# Altium PCB LimeNet-Micro_2v1.PcbDoc (part 9 of 11) (continued)
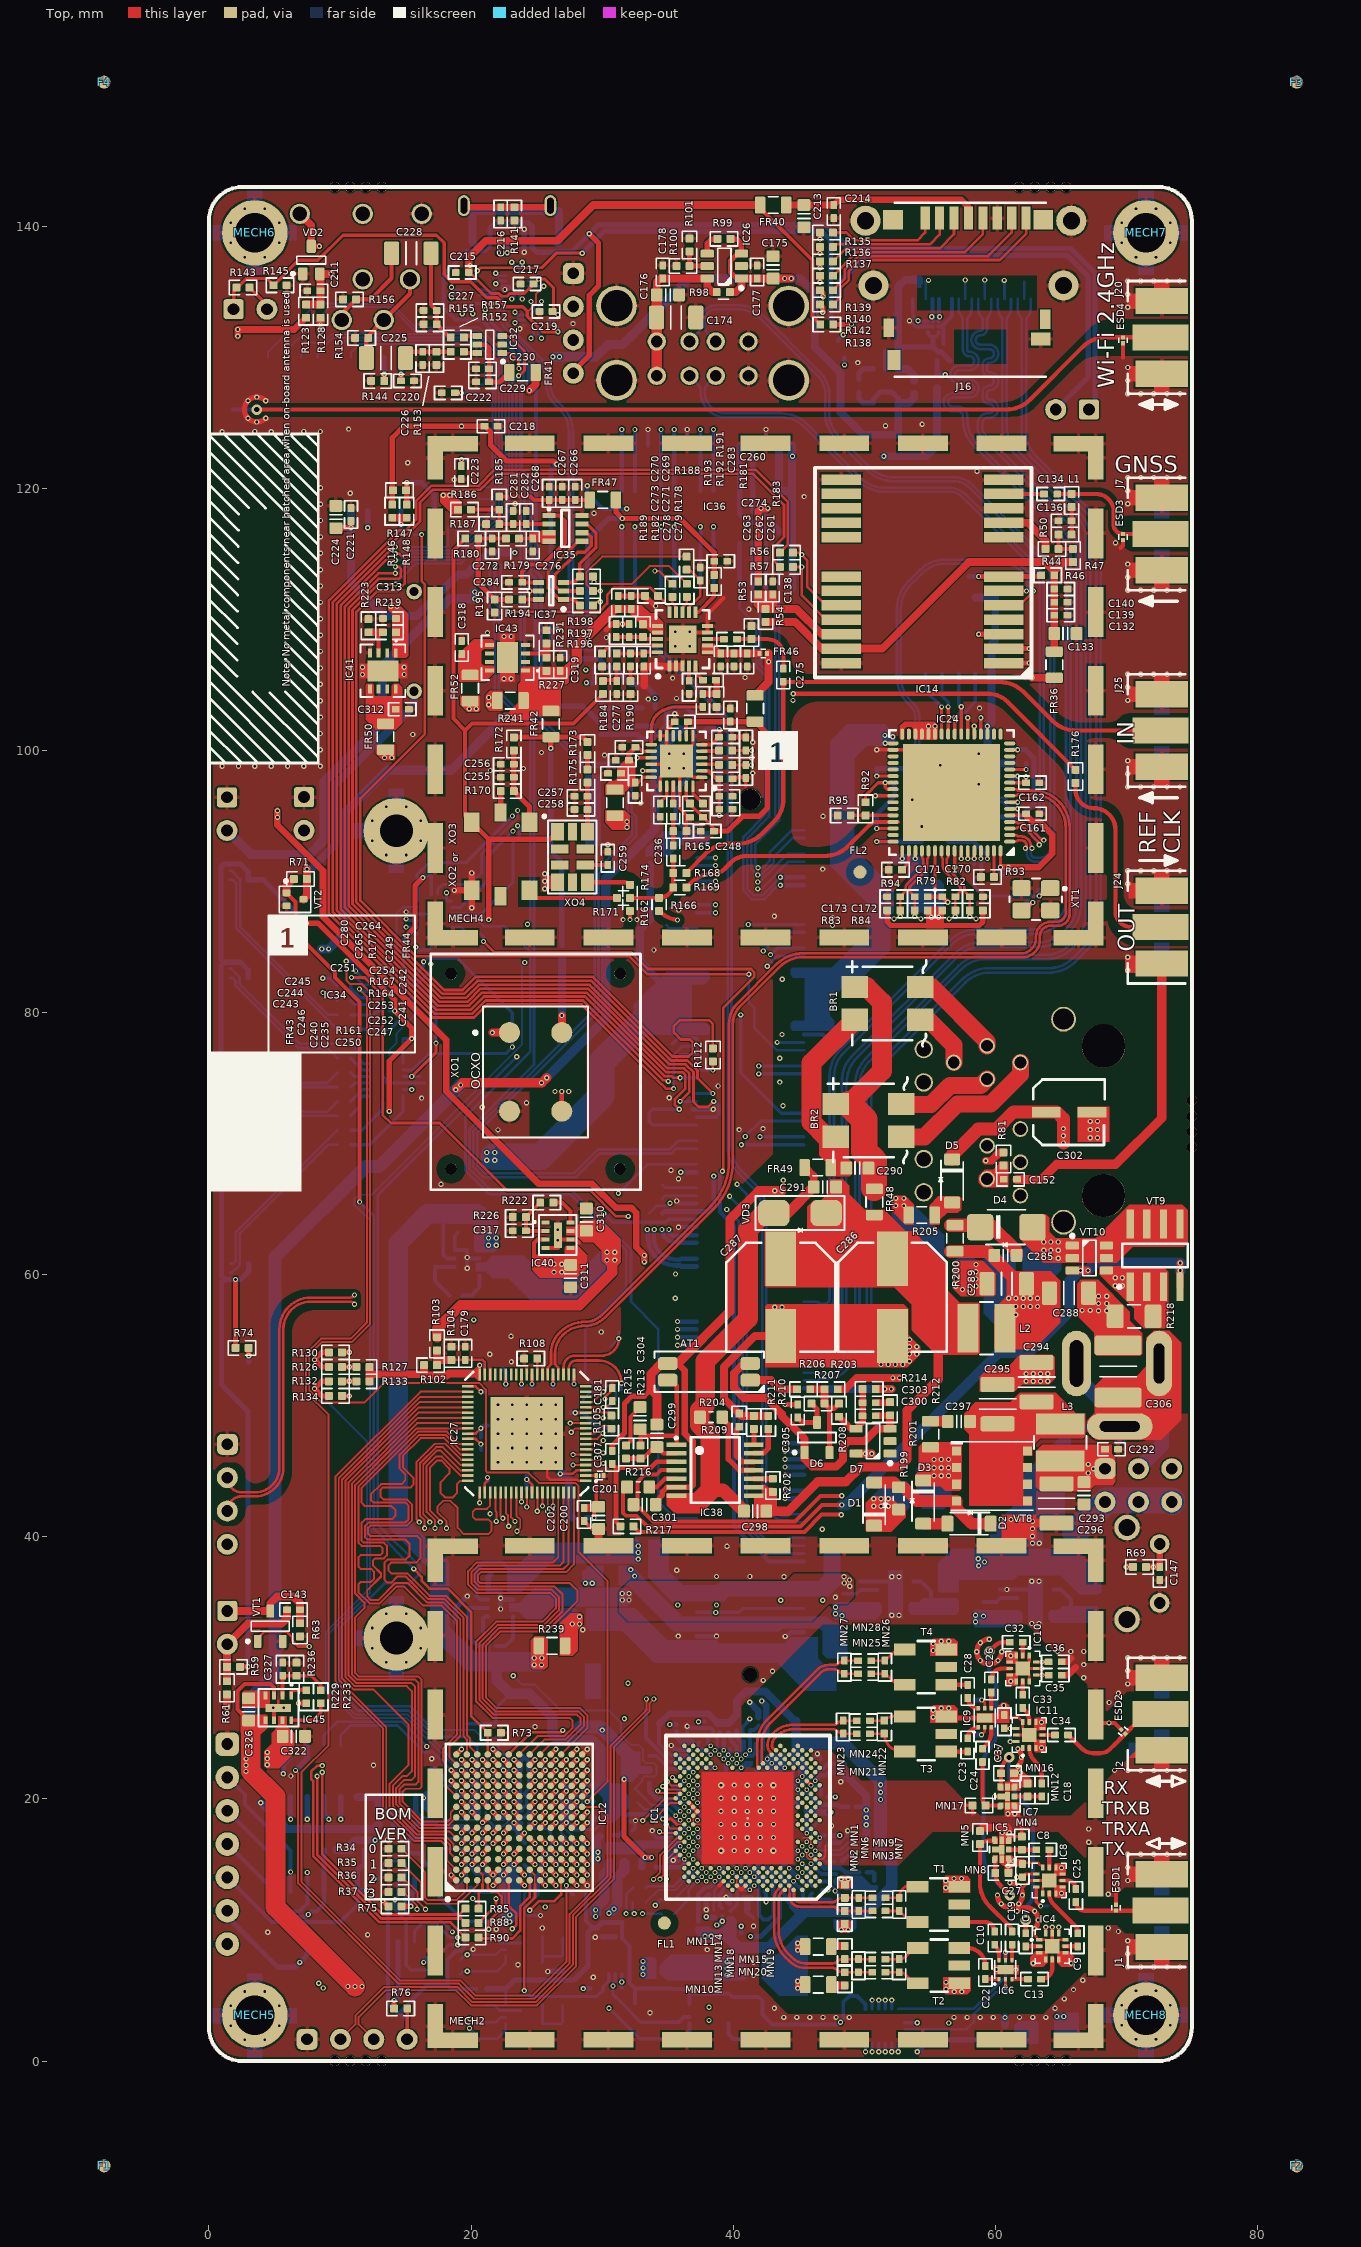
[diagram p0: Top view]
## Nets (pads, with @x,y where several pads share a name; then routed paths per layer and width w, separated by ;. In a path a pad name is that pad's centre, name@x,y a point inside that pad or via, vN(x,y) a via of type N, cw(c..) or ccw(c..) an arc to the next point about the centre after c; other vN are vias at no path point) (continued)
  Bottom w2: 21.7,69 25.3,69 29.95,73.65 29.95,76.2 33.038,79.288
  other v1: 27.725,33.35 28.272,33.35 28.275,33.9 28.725,36.45 29.25,36.45 26.325,60.2 26.925,60.2 26.325,60.8 26.925,60.8 21.2,68.725 21.8,68.725 21.2,69.325 21.8,69.325 52.175,101.05 51.575,101.15 54.9,101.85 23.325,115.1
VCC3P3_CLK: C260.2 C269.1 C270.1 C319.2 FR36.1 FR42.1 FR43.1 FR44.1 FR46.1 FR47.2 IC36.16 IC36.17 IC43.1 R178.2 R181.2 R227.2 R238.1 R241.1 | length 265.1
  Top w0.4: FR47.2@31.05,119.125 31.05,118.188 v1(31.538,117.7) 35.945,117.7 38.55,115.095 R181.2@38.55,113.4
  Top w0.6: 30.85,110.8 C270.1@31.225,110.8 ; C270.1@31.225,110.8 C269.1@32.338,110.8 ; FR44.1@41.675,104.2 42.7,105.225 FR46.1@42.7,107.45 ; v1(62.8,105.55) FR36.1@64.5,105.55
  Top w0.8: FR42.1@26.086,103.025 26.086,105.675 ; 27.125,105.878 28.075,106.828 28.075,107.975 30.85,110.75
  L3 w0.6: v1(28.875,108.525) v1(28.875,109.025) 28.625,109.275 28.625,113.125 29,113.5 32.177,113.5 33.427,114.75 34.725,114.75 v1(42.7,106.775)
  L4 w0.6: v1(28.875,109.025) v1(28.875,108.525) 30.925,106.475 30.925,95.384 31.8,94.509 v1@31.8,94.25 ; v1(42.7,106.775) 43.925,105.55 v1(62.8,105.55)
  L4 w0.8: v1(8.725,5.575) v1(8.375,5.925) 6.925,5.925 5.25,7.6 5.25,19.694 3.625,21.319 3.625,28.125 4.725,29.225 4.725,71.025 7.35,73.65 7.35,83.925 8.275,84.85 8.925,84.85
  L5 w0.8: v1(8.375,5.925) v1(8.725,5.575) 10.95,3.35 16.975,3.35 18.925,1.4 20.95,1.4 21.525,1.975 59.49,1.975 60.74,3.225 v1(60.74,3.315)
  Bottom w0.4: v1(28.875,108.525) v1(28.875,109.025) 28.875,116.093 30.482,117.7 v1(31.538,117.7)
  Bottom w0.6: R238.1@60.74,2.725 v1(60.74,3.315)
  Bottom w0.7: v1(8.6,84.85) 9.112,84.85 v1(9.125,84.863) 10.35,86.088 10.35,95.25 13.6,98.5 18.475,98.5 22.475,102.5 v1@22.925,102.5
  other v1: 31.9,94.15 31.9,94.575 22.5,102.525 23.025,102.525
VCC3P3_GNSS: C132.2 C133.2 C139.2 C140.1 FR36.2 IC14.23 R46.2 R47.1 R54.2 | length 33.7
  Top w0.6: R54.2@42.465,109.8 44.725,109.8 46.75,107.775 IC14.23@48.253,107.775 51.375,107.775 57.975,114.375 63.802,114.375 64.5,113.677 ; FR36.2@64.5,107.55 C133.2@64.5,108.925 C132.2@64.5,110.325 C139.2@64.5,111.325 C140.1@64.5,112.325 R46.2@64.5,113.375 64.5,113.677 ; R47.1@65.928,114.375 65.198,114.375 64.5,113.677
VCC3P3_LMK: C248.2 C249.2 C250.2 C251.2 FR44.2 IC34.8 IC34.23 R161.2 | length 22.2
  Top w0.25: IC34.23@36.425,97.275 36.425,96.225 R161.2@36.7,95.95 36.7,95.9 C250.2@37.7,94.9 38.525,94.075 C248.2@38.525,93.85 ; IC34.8@36.425,101.125 C251.2@36.425,102.087
  Top w0.4: C251.2@36.538,102.2 FR44.2@41.675,102.2 42.625,101.25 42.625,95.625 41.975,94.975 40.7,94.975 39.625,93.9 39.575,93.85 C248.2@38.525,93.85
VCC3P3_LMK2: C243.2 C244.2 C245.2 C246.2 FR43.2 IC34.14 IC34.18 | length 6.4
  Top w0.25: C245.2@32.538,100.25 32.763,100.25 33.063,99.95 IC34.14@33.75,99.95 ; C246.2@32.738,97.55 33.138,97.95 IC34.18@33.75,97.95
  Top w0.4: C246.2@32.512,97.55 32.063,97.55 31.45,98.163 31.45,98.662 C244.2@32.038,99.25 32.038,99.75 C245.2@32.538,100.25
VCC3P3_RF: C12.2 C29.2 C36.2 C38.2 C329.2 C330.1 FR55.2 IC4.12 IC8.12 IC10.12 IC11.12 | length 40.7
  Top w0.25: v1(61.133,24.375) IC11.12@61.6,24.375 ; IC10.12@63.1,30.45 C36.2@64.07,30.45 ; IC8.12@63.125,13.275 63.125,12.15 v1(63.455,11.82) ; IC4.12@63.85,9.75 v1(63.85,10.217)
  L4 w0.4: v1(61.133,24.375) 61.144,24.386 62.114,24.386 ; v1(63.567,30.45) 63.9,30.45 64.15,30.2 64.15,25.625 63.75,25.225 62.953,25.225 62.114,24.386 ; v1(63.85,10.217) 63.85,11.425 ; v1(64.7,3.4) v1(65.215,3.4) 67.178,5.364 67.178,9.797 65.264,11.711 64.136,11.711 63.85,11.425 ; 62.114,24.386 63.455,23.045 v1(63.455,11.82) 63.85,11.425
  Bottom w0.25: v1(61.133,24.375) C38.2@61.133,24.8 ; v1(63.455,11.82) C29.2@64.025,11.82 ; C12.2@63.85,9.675 v1(63.85,10.217)
VCC3P3A: C106.2 C107.1 C108.1 C109.1 C110.1 C111.1 C112.1 FR35.2 IC12.D3 IC12.D4 IC12.D10 IC12.K4 IC12.K9 | length 35.1
  Top w0.4: v1(20.872,14.994) IC12.D3@21.272,15.394 ; v1(20.872,15.794) IC12.D4@21.272,16.194 ; v1(20.872,21.394) IC12.D10@21.272,20.994 ; IC12.K4@26.072,16.194 v1(26.472,15.794) ; IC12.K9@26.072,20.194 v1(26.472,20.594)
  L3 w0.4: v1(20.872,14.994) v1(20.872,15.794)
  L4 w0.2: 20.472,13.903 21.4,12.975 22.025,12.975 24.444,15.394 26.072,15.394 v1(26.472,15.794)
  L4 w0.4: 20.472,13.903 20.472,14.594 v1(20.872,14.994)
  L4 w0.5: v1(16.375,20.075) 16.85,19.6 16.85,17.9 17.781,16.969 17.781,13.944 18.1,13.625 20.194,13.625 20.472,13.903
  Bottom w0.2: C106.2@17,20.372 17.622,20.994 18.638,20.994 18.872,20.76 18.872,20.428 19.106,20.194 20.294,20.194 20.472,20.372 20.472,20.76 20.872,21.16 v1(20.872,21.394) ; v1(26.472,15.794) 26.872,16.194 26.872,16.76 27.181,17.069 C111.1@27.209,17.069 ; v1(26.472,20.594) 26.872,20.194 26.872,17.406 C111.1@27.209,17.069 ; C111.1@27.217,17.069 C111.1@27.209,17.069
  Bottom w0.25: C110.1@20.547,14.874 C107.1@21.197,14.874
  Bottom w0.4: C106.2@17,20.372 17,19.366 FR35.2@17.272,19.094
VCC3P3A_ETH: C160.1 C161.1 C162.1 C163.1 C164.1 C165.1 C166.1 FR38.1 IC24.5 IC24.10 IC24.49 IC24.51 IC24.54 IC24.57 IC24.64 R79.2 R81.1 R82.2 R83.2 R84.2 | length 77.1
  Top w0.25: v1(52.9,91.75) IC24.49@52.9,92.35 ; v1(53.9,91.75) IC24.51@53.9,92.35 ; v1(55.4,89.35) 55.4,91.1 IC24.54@55.4,92.35 ; v1(56.9,91.1) IC24.57@56.9,92.35 ; v1(60.4,91.1) IC24.64@60.4,92.35 ; IC24.5@61.1,95.05 C161.1@62.35,95.05 ; IC24.10@61.1,97.55 C162.1@62.35,97.55 62.35,97.992 v1(62.342,98)
  Top w0.4: R83.2@51.75,87.8 51.75,86.925 52.025,86.65 54.775,86.65 55.025,86.9 ; 55.775,86.9 56.025,86.65 58.775,86.65 59.05,86.925 R82.2@59.05,87.8
  Top w0.5: v1@60.475,91.1 v1(61,91.1) 63.32,91.1 64.35,92.13 64.35,93.575 63.35,94.575 62.825,94.575 C161.1@62.35,95.05
  Top w0.6: R84.2@54.85,87.8 R79.2@55.95,87.8 ; v1(59.275,68.7) 59.7,68.7 60.325,69.325 R81.1@60.625,69.325
  L3 w0.5: 54.45,88.325 52.225,88.325 51.4,87.5 51.4,86.183 58.085,79.499 58.085,69.34 58.725,68.7 v1(59.275,68.7)
  L3 w0.8: 54.45,88.325 54.646,88.325 56.975,90.654 ; 56.975,90.504 56.975,90.654 ; v1@56.975,90.979 56.975,90.654 ; 60.925,90.9 60.45,90.9 59.55,90 57.629,90 56.975,90.654
  L3 w1.1: 54.45,88.325 55.45,87.325
  L4 w0.4: v1(60.4,91.1) v1(61,91.1) 62.465,91.1 64.2,92.835 64.2,96.142 v1(62.342,98)
  Bottom w0.25: C164.1@52.425,91.75 v1(52.9,91.75) ; 53.9,91.275 v1(53.9,91.75) ; C163.1@56.9,90.625 v1(56.9,91.1)
  other v1: 55.125,87.275 55.675,87.275
VCC5P0: C175.2 C177.1 C231.2 C233.1 C308.2 C310.2 C322.2 C323.2 FR50.1 FR52.1 IC26.1 IC26.3 IC33.1 IC33.3 IC39.7 IC40.7 IC45.7 IC46.7 J3.7 J26.2 J27.2 J27.4 J27.6 R33.1 R61.1 R98.2 R99.1 R103.2 R120.2 R158.2 R159.1 VD4.K | length 397.6
  Top w0.4: C322.2@5.625,24.775 IC45.7@5.625,26 ; IC40.7@27.572,63.35 C310.2@28.797,63.35 ; R99.1@39.82,139.02 40.307,139.02 40.62,138.707 IC26.3@40.62,137.92 40.345,137.92 39.795,137.37 39.795,136.495 40.27,136.02 IC26.1@40.62,136.02
  Top w0.6: v1(1.373,26.952) 1.375,26.953 R61.1@1.375,27.975 ; R98.2@39.75,134.975 40.2,134.975 40.62,135.395 IC26.1@40.62,136.02 v1(43.92,136.02) v1(44.43,136.02)
  Top w0.8: R103.2@17.4,55.225 17.4,55.875 19.2,57.675 28.258,57.675 30.762,60.179 30.762,60.725
  L3 w1: J27.2@68.2,42.475 J27.2@68.379,42.654
  L3 w1.5: v1(1.373,26.952) 3.95,24.375 v1(3.95,19.704) 3.95,11.471 J3.7@1.4,8.921 3.196,7.125 5,7.125 8.7,3.425 17.15,3.425 19.2,1.375 48.375,1.375 48.775,1.775 65.65,1.775 68,4.125 68,9.25 66.825,10.425 66.825,13.5 68.4,15.075 68.4,20.75 67.6,21.55 67.6,28.075 68.2,28.675 J27.2@68.2,42.475
  L3 w2: 30.674,61.425 30.674,60.351 34.1,56.925 34.1,36.25 33.275,35.425 31.997,35.425 ; J27.2@68.379,42.654 68.379,42.78 73.338,42.78 J27.6@73.464,42.654
  L4 w1.5: 20.125,103.15 20.125,105.15 22.025,107.05 22.897,107.05 26.147,110.3 30.275,110.3 30.285,110.3 30.535,110.55 30.55,110.55 30.9,110.9 30.9,112.928 24.8,119.028 24.8,125.45 22.325,127.925 22.325,129.7 22.95,130.325 26.275,130.325
  L4 w2: 14.225,98.85 17.45,98.85 ; 20.1,102.7 20.1,101.5 17.45,98.85 ; v1@30.265,61.81 v1@30.365,61.71 ; v1@30.412,61.663 v1@30.365,61.71 ; J27.2@68.379,42.654 68.379,42.78 73.338,42.78 J27.6@73.464,42.654 ; 17.45,98.85 17.45,96.9 22.975,91.375 22.975,85.425 20.3,82.75 20.3,75.2 24.325,71.175 24.325,67.75 v1@30.365,61.71
  L4 w2.3: J26.2@7.625,93.875 8.725,93.875 13.775,98.925 17.175,98.925
  L4 w2.5: 48.459,36.234 52.325,40.1 57.25,40.1 60.025,42.875 68.157,42.875 J27.2@68.379,42.654
  Bottom w0.4: IC39.7@20.65,60.575 C308.2@21.875,60.575 ; IC46.7@23.2,34.575 C323.2@24.425,34.575 ; R159.1@49.6,127.325 49.6,126.838 49.913,126.525 IC33.3@50.7,126.525 50.7,126.8 51.25,127.35 52.125,127.35 52.6,126.875 IC33.1@52.6,126.525
  Bottom w0.6: v1(3.95,19.704) 5.954,17.7 12.575,17.7 R33.1@12.925,18.05 ; v1(43.92,136.02) v1(44.43,136.02) 45.13,136.02 46.225,134.925 46.225,130.767 48.2,128.792 48.2,125.8 49.9,124.1 C231.2@52.6,124.1 C233.1@52.6,125.325 IC33.1@52.6,126.525 53.411,126.525 53.8,126.914 R158.2@53.8,127.225
  Bottom w0.7: v1@26.37,130.05 29.525,130.05 30.46,130.985 31.56,130.985 36.595,136.02 v1(43.92,136.02)
  Bottom w2: VD4.K@66.088,40.362 J27.2@68.379,42.654 68.505,42.78 73.464,42.78 J27.6@73.464,42.654
  other v1: 4.442,22.6 4.442,23.075 4.45,23.55 31.525,35.175 32.05,35.175 47.801,35.396 31.525,35.675 32.05,35.675 48.89,36.221 48.474,36.475 48.875,36.7 48.459,36.954 30.371,61.116 30.971,61.116 30.371,61.716 30.971,61.716 13.395,99.461 13.945,99.461 19.85,103.175 20.4,103.175 26.245,130.05 26.75,130.05
VCC5P0_EXT: J27.3 J28.1 | length 40.3
  L2 w1.1: J28.1@66.2,53.225 66.2,52.253 68.253,50.2 71.65,50.2 72.7,49.15 72.7,46.975 J27.3@70.921,45.196
  L4 w1.1: J28.1@66.2,53.225 66.2,52.253 68.253,50.2 71.65,50.2 72.7,49.15 72.7,46.975 J27.3@70.921,45.196
  Bottom w1.1: J28.1@66.2,53.225 66.2,52.253 68.253,50.2 71.65,50.2 72.7,49.15 72.7,46.975 J27.3@70.921,45.196
VCC5P0_HDMI: C232.2 C234.1 IC33.6 J19.18 R158.1 VD1.A1 VD1.C1 VT7.G | length 15.8
  Bottom w0.3: VD1.C1@54.85,131.95 54.85,131.82 55.095,131.575 55.425,131.575 55.65,131.8 VD1.A1@55.65,131.95
  Bottom w0.4: 52.6,130.75 52.65,130.8 55.25,130.8 ; 55.25,131.5 55.25,130.8 ; VT7.G@56.54,129.735 55.85,130.425 55.625,130.425 55.25,130.8
  Bottom w0.6: 53.725,135.925 53.125,135.925 52.6,135.4 C232.2@52.6,132.725 C234.1@52.6,131.525 52.6,130.75 IC33.6@52.6,129.125 53.271,129.125 53.8,128.596 R158.1@53.8,128.225
VCC5P0_POE: C292.2 C293.2 C296.2 J27.1 L3.2 R203.2 | length 24.1
  Top w0.6: R203.2@47.975,51.26 48.56,51.26 49.425,52.125 v1(52.687,52.125)
  L5 w0.8: v1(52.187,52.125) v1(52.687,52.125) 59.625,52.125 66.554,45.196 J27.1@68.379,45.196
  other v1: 67.1,44.868 67.488,45.196 67.1,45.525
VCC5P0_USB_EXT: J12.4 J14.1 J15.1 J27.5 R122.1 | length 200.2
  Top w0.4: J12.4@27.65,128.786 29.025,130.161 29.025,134.736 29.725,135.436 29.725,138.725 v1(29.025,139.425)
  L3 w1: J14.1@67.15,126.02 67.15,116.55 68.775,114.925 68.775,81.7 70.7,79.775 70.7,51.15 73.464,48.386 J27.5@73.464,45.196
  Bottom w0.3: J15.1@21.45,138.9 21.45,138.45 21.1,138.1 19.675,138.1 17.9,136.325 17.9,133.775 18.8,132.875 20.775,132.875 24.375,129.275 24.375,128.18 23.8,127.605 23.8,121.45 24.55,120.7 24.55,113.498 24.925,113.123 24.925,103.95 R122.1@25.5,103.375
  Bottom w0.4: J15.1@21.45,138.9 21.45,139.875 21.85,140.275 24.375,140.275 24.675,139.975 24.675,138.35 25,138.025 27.625,138.025 v1(29.025,139.425) 29.725,140.125 46.975,140.125 48.8,138.3 65.75,138.3 67.6,136.45 67.6,126.2 67.42,126.02 J14.1@67.15,126.02
VCC5P0_USBE: C174.2 C176.2 C178.1 IC26.6 J10.B1 J10.T1 J11.4 R98.1 | length 146.4
  Top w0.6: C176.2@34.17,134.87 34.17,135.745 34.445,136.02 C178.1@34.62,136.02 IC26.6@38.02,136.02 38.02,135.38 38.425,134.975 R98.1@38.75,134.975
  Top w0.8: J10.T1@34.17,128.595 J10.B1@34.17,131.215 C176.2@34.17,134.77 C176.2@34.17,134.87
  L3 w1: J11.4@1.4,39.427 5.25,43.277 5.25,92.95 4.325,93.875 4.325,95.975 6.25,97.9 8.8,97.9 9.315,98.415 9.315,126.485 7.075,128.725 7.075,132.675 8.725,134.325 14.25,134.325 15.675,132.9 15.675,130.925 16.35,130.25 24.275,130.25 28.7,125.825 32.2,125.825 34.17,127.795 J10.T1@34.17,128.595
VD10_FT: C192.2 C193.2 C194.1 C195.1 C196.1 C197.1 C198.1 C199.1 FR39.1 IC27.3 IC27.30 IC27.33 IC27.39 IC27.48 | length 28.2
  Top w0.2: IC27.48@19.75,47.875 20.35,47.875 v1(20.75,48.275) ; IC27.39@19.75,51.475 20.35,51.475 v1(20.75,51.075) ; v1(22.65,51.659) IC27.33@22.65,52.375 ; v1(23.85,51.659) IC27.30@23.85,52.375 ; v1(26.8,44.8) 27.75,44.8 28.025,45.075 IC27.3@28.75,45.075
  L4 w0.5: v1(23.85,51.659) v1(22.65,51.659) 21.334,51.659 v1(20.75,51.075) v1(20.75,48.275) 21.45,47.575 21.45,45.426 21.801,45.075 26.525,45.075 v1(26.8,44.8)
  Bottom w0.3: C193.2@20.75,47.588 v1(20.75,48.275) 20.975,48.5 C199.1@21.3,48.5
  Bottom w0.35: v1(20.75,51.075) C196.1@21.079,51.075 ; C195.1@22.442,52.8 22.65,52.592 v1(22.65,51.659) C194.1@22.65,51.33 ; C198.1@23.85,51.33 v1(23.85,51.659)
  Bottom w0.6: v1(26.8,44.8) 27.05,44.8 C197.1@27.375,44.475 27.45,44.4 C192.2@27.45,43.25 27.45,41.758 FR39.1@27.758,41.45
WIFI_PIO5: IC12.C9 IC30.27 | length 125
  Top w0.4: v1(20.072,20.594) IC12.C9@20.472,20.194
  L3 w0.1: v1(12.105,117.005) 12.105,108.88 11.05,107.825 11.05,102.65 10.025,101.625 10.025,97.658 9.05,96.683 9.05,91.05 5.95,87.95 5.95,61.794 8.919,58.825 8.919,29.378 7.875,28.334 7.875,21.2 10.435,18.64 10.435,17.44 14.031,13.844 19.417,13.844 19.625,14.052 19.625,17.464 20.5,18.339 20.5,19.1 20.175,19.425 19.925,19.425 19.7,19.65 19.7,20.222 v1(20.072,20.594)
  Bottom w0.4: v1(12.105,117.005) IC30.27@12.105,118.29
WIFI_RST: J13.47 R149.1 | length 71.4
  Top w0.2: v1(16.225,116.475) 16.225,112.928 16.475,112.678 16.475,101.275 11.55,96.35 11.55,88.55 15.8,84.3 32.088,84.3 33.463,82.925 v1(41.2,82.925)
  Bottom w0.2: R149.1@15.65,116.475 v1(16.225,116.475) ; v1(41.2,82.925) 41.2,80.775 41.597,80.378 41.597,78.853 43.325,77.125 J13.47@45.4,77.125
XO_VC: R180.1 R184.2 XO1.1 XO2.1 XO3.1 XO4.1 | length 57.7
  Top w0.3: R180.1@19.55,116.175 18.65,115.275 18.65,102.428 19.55,101.528 ; XO3.1@20.05,94.525 19.55,95.025 19.55,101.528 ; R184.2@30.063,104.3 27.812,102.05 20.072,102.05 19.55,101.528
  Top w0.4: XO3.1@20.05,94.525 21.35,93.225 ; v1(21.35,87.1) 21.35,93.225 ; XO4.1@26.586,93.8 26.011,93.225 21.35,93.225
  Top w0.6: v1(21.625,78.475) XO1.1@22.925,78.475
  L3 w0.4: v1(21.35,87.1) 21.625,86.825 v1(21.625,78.475)
pads on no net: C1.0 C2.0 C3.0 C4.0 C5.0 C6.0 C7.0 C8.0 C9.0 C10.0 C11.0 C12.0 C13.0 C14.0 C15.0 C16.0 C17.0 C18.0 C19.0 C20.0 C21.0 C22.0 C23.0 C24.0 C25.0 C26.0 C27.0 C28.0 C29.0 C30.0 C31.0 C32.0 C33.0 C34.0 C35.0 C36.0 C37.0 C38.0 C40.0 C98.0 C99.0 C106.0 C113.0 C119.0 C123.0 C132.0 C133.0 C134.0 C135.0 C136.0 C137.0 C138.0 C139.0 C140.0 C141.0 C142.0 C143.0 C144.0 C145.0 C146.0 C147.0 C148.0 C149.0 C150.0 C151.0 C152.0 C153.0 C154.0 C155.0 C156.0 C157.0 C158.0 C159.0 C160.0 C161.0 C162.0 C163.0 C164.0 C165.0 C166.0 C167.0 C168.0 C169.0 C170.0 C171.0 C172.0 C173.0 C174.0 C175.0 C176.0 C177.0 C178.0 C179.0 C180.0 C181.0 C182.0 C183.0 C192.0 C195.0 C197.0 C199.0 C200.0 C202.0 C203.0 C204.0 C205.0 C206.0 C207.0 C208.0 C209.0 C210.0 C211.0 C212.0 C213.0 C214.0 C215.0 C216.0 C217.0 C218.0 C219.0 C220.0 C221.0 C222.0 C223.0 C224.0 C225.0 C226.0 C227.0 C228.0 C229.0 C230.0 C231.0 C232.0 C233.0 C234.0 C235.0 C236.0 C237.0 C238.0 C239.0 C240.0 C241.0 C242.0 C243.0 C244.0 C245.0 C246.0 C247.0 C248.0 C249.0 C250.0 C251.0 C252.0 C253.0 C254.0 C255.0 C256.0 C257.0 C258.0 C259.0 C260.0 C261.0 C262.0 C263.0 C264.0 C265.0 C266.0 C267.0 C268.0 C269.0 C270.0 C271.0 C272.0 C273.0 C274.0 C275.0 C276.0 C277.0 C278.0 C279.0 C280.0 C281.0 C282.0 C283.0 C284.0 C285.0 C288.0 C289.0 C290.0 C291.0 C292.0 C293.0 C294.0 C295.0 C296.0 C297.0 C298.0 C299.0 C300.0 C301.0 C303.0 C304.0 C305.0 C306.0 C307.0 C308.0 C309.0 C310.0 C311.0 C312.0 C313.0 C314.0 C315.0 C316.0 C317.0 C318.0 C319.0 C320.0 C321.0 C322.0 C323.0 C324.0 C325.0 C326.0 C327.0 C328.0 C329.0 C330.0 D1.0 D2.0 D3.0 D4.0 D5.0 D6.0 D7.0 D7.1 D7.2 F1.1 F2.1 F3.1 F4.1 F5.1 F6.1 F7.1 F8.1 FL1.1 FL2.1 FL3.1 FR1.0 FR35.0 FR36.0 FR37.0 FR38.0 FR39.0 FR40.0 FR41.0 FR42.0 FR43.0 FR44.0 FR45.0 FR47.0 FR48.0 FR49.0 FR50.0 FR51.0 FR52.0 FR53.0 FR54.0 FR55.0 IC1.A5 IC1.A13 IC1.A21 IC1.AA1 IC1.AA3 IC1.AA5 IC1.AB2 IC1.AB4 IC1.AB6 IC1.AC3 IC1.AC5 IC1.AD2 IC1.AE1 IC1.AE5 IC1.AG3 IC1.AG33 IC1.AH2 IC1.AH4 IC1.AH32 IC1.AJ1 IC1.AJ3 IC1.AJ5 IC1.AJ11 IC1.AJ13 IC1.AJ21 IC1.AJ27 IC1.AJ29 IC1.AJ31 IC1.AJ33 IC1.AK2 IC1.AK4 IC1.AK6 IC1.AK8 IC1.AK10 IC1.AK26 IC1.AK28 IC1.AK30 IC1.AK32 IC1.AK34 IC1.AL3 IC1.AL5 IC1.AL7 IC1.AL9 IC1.AL11 IC1.AL27 IC1.AL29 IC1.AL31 IC1.AL33 IC1.AM4 IC1.AM6 IC1.AM8 IC1.AM10 IC1.AM28 IC1.AM30 IC1.AM34 IC1.AN3 IC1.AN5 IC1.AN7 IC1.AN9 IC1.AN27 IC1.AN29 IC1.AN31 IC1.AP6 IC1.AP10 IC1.AP30 IC1.AP32 IC1.B2 IC1.B4 IC1.B12 IC1.B14 IC1.B22 IC1.C1 IC1.C3 IC1.C5 IC1.C9 IC1.C11 IC1.C13 IC1.C15 IC1.C17 IC1.C19 IC1.C31 IC1.D2 IC1.D4 IC1.D8 IC1.D10 IC1.D12 IC1.D14 IC1.D18 IC1.D22 IC1.D30 IC1.D32 IC1.E3 IC1.E9 IC1.E11 IC1.E13 IC1.E15 IC1.E23 IC1.E29 IC1.E31 IC1.F2 IC1.F4 IC1.F10 IC1.F12 IC1.F14 IC1.F16 IC1.F22 IC1.F26 IC1.F32 IC1.G1 IC1.G29 IC1.J1 IC1.M2 IC1.M6 IC1.P2 IC1.R3 IC1.R5 IC1.T4 IC1.T6 IC1.U1 IC1.U3 IC1.U5 IC1.V2 IC1.V4 IC1.V6 IC1.W3 IC1.Y2 IC1.Y4 IC1.Y6 IC12.E3 IC12.E4 IC13.9 IC14.4 IC14.8 IC14.14 IC14.15 IC14.16 IC14.17 IC14.18 IC14.19 IC19.7 IC20.1 IC20.2 IC20.3 IC20.7 IC20.PAD IC21.1 IC21.2 IC21.3 IC21.7 IC24.13 IC24.14 IC24.16 IC24.17 IC24.18 IC24.31 IC24.35 IC24.36 IC24.37 IC24.42 IC24.43 IC24.47 IC25.6 IC25.7 IC26.0 IC27.17 IC27.18 IC27.19 IC27.31 IC27.32 IC27.34 IC27.35 IC30.11 IC30.12 IC30.13 IC30.16 IC30.18 IC30.20 IC30.22 IC30.24 IC30.26 IC32.0 IC33.0 IC34.4 IC34.9 IC34.10 IC39.1 IC40.1 IC41.2 IC41.6 IC41.7 IC42.2 IC42.6 IC42.7 IC43.2 IC43.6 IC43.7 IC44.2 IC44.6 IC44.7 J4.6 J4.7 J4.8 J9.0 J13.21 J13.23 J13.34 J13.36 J13.57 J13.59 J13.75 J13.77 J13.81 J13.83 J13.87 J13.89 J13.93 J13.95 J13.99 J13.101 J13.105 J13.106 J13.107 J13.108 J13.112 J13.114 J13.124 J13.126 J13.128 J13.130 J13.132 J13.135 J13.136 J13.137 J13.138 J13.141 J13.142 J13.143 J13.144 J13.148 J13.150 J13.154 J13.156 J13.158 J13.160 J13.162 J13.172 J13.174 J13.176 J13.178 J13.179 J13.180 J13.None J15.4 J16.9 J16.10 J16.11 J16.14 J19.14 J21.6 J21.7 L1.0 LED1.0 LED2.0 LED3.0 LED4.0 LED5.0 LED6.0 LED6.2 LED6.4 MN1.0 MN2.0 MN3.0 MN4.0 MN5.0 MN6.0 MN7.0 MN8.0 MN9.0 MN10.0 MN11.0 MN12.0 MN13.0 MN14.0 MN15.0 MN16.0 MN17.0 MN18.0 MN19.0 MN20.0 MN21.0 MN22.0 MN23.0 MN24.0 MN25.0 MN26.0 MN27.0 MN28.0 R1.0 R2.0 R3.0 R4.0 R5.0 R6.0 R7.0 R8.0 R9.0 R10.0 R11.0 R12.0 R13.0 R15.0 R16.0 R17.0 R18.0 R19.0 R22.0 R23.0 R26.0 R27.0 R28.0 R29.0 R30.0 R31.0 R32.0 R33.0 R34.0 R35.0 R36.0 R37.0 R38.0 R39.0 R40.0 R41.0 R42.0 R43.0 R44.0 R45.0 R46.0 R47.0 R48.0 R49.0 R50.0 R51.0 R52.0 R53.0 R54.0 R55.0 R56.0 R57.0 R58.0 R59.0 R60.0 R61.0 R62.0 R63.0 R64.0 R65.0 R66.0 R67.0 R68.0 R69.0 R70.0 R71.0 R72.0 R73.0 R74.0 R75.0 R76.0 R77.0 R78.0 R79.0 R80.0 R81.0 R82.0 R83.0 R84.0 R85.0 R86.0 R87.0 R88.0 R89.0 R90.0 R91.0 R92.0 R93.0 R94.0 R95.0 R96.0 R97.0 R98.0 R99.0 R100.0 R101.0 R102.0 R103.0 R104.0 R105.0 R106.0 R107.0 R108.0 R109.0 R110.0 R111.0 R112.0 R113.0 R114.0 R115.0 R116.0 R117.0 R118.0 R119.0 R120.0 R121.0 R122.0 R123.0 R124.0 R125.0 R126.0 R127.0 R128.0 R129.0 R130.0 R131.0 R132.0 R133.0 R134.0 R135.0 R136.0 R137.0 R138.0 R139.0 R140.0 R141.0 R142.0 R143.0 R144.0 R145.0 R146.0 R147.0 R148.0 R149.0 R150.0 R151.0 R152.0 R153.0 R154.0 R155.0 R156.0 R157.0 R158.0 R159.0 R160.0 R161.0 R162.0 R163.0 R164.0 R165.0 R166.0 R167.0 R168.0 R169.0 R170.0 R171.0 R172.0 R173.0 R174.0 R175.0 R176.0 R177.0 R178.0 R179.0 R180.0 R181.0 R182.0 R183.0 R184.0 R185.0 R186.0 R187.0 R188.0 R189.0 R190.0 R191.0 R192.0 R193.0 R194.0 R195.0 R196.0 R197.0 R198.0 R199.0 R200.0 R201.0 R202.0 R203.0 R204.0 R205.0 R206.0 R207.0 R208.0 R209.0 R210.0 R211.0 R212.0 R213.0 R214.0 R215.0 R216.0 R217.0 R218.0 R219.0 R220.0 R221.0 R222.0 R223.0 R224.0 R225.0 R226.0 R227.0 R228.0 R229.0 R230.0 R231.0 R232.0 R233.0 R234.0 R235.0 R236.0 R237.0 R238.0 R239.0 R240.0 R241.0 T1.2 T2.2 T3.2 T4.2 T5.5 T5.8 T5.9 VD1.B1 VD2.0 VT1.0 VT10.0 XO1.0 XO2.3 XO4.2 XO4.3 XO4.5 XO4.8 XO4.10 XT1.0 XT2.0
copper on no net:
  other v1: 38.15,3.1 38.15,4.1

## Polygon pours and split planes (outlines as drawn)
VCC3P3_2 on L3 "VCC3P3_2_L03_P031" (solid, remove dead copper, pour order 31): 22.2,68.5 22.2,71.325 19.5,74.025 19.5,80.35 17.25,82.6 17.25,84.425 21.05,88.225 21.05,96.06 27.125,102.135 27.125,113.95 31.15,117.975 35.25,117.975 41.5,111.725 56.6,111.725 59.825,108.5 59.825,102.625 58.275,101.075 56.475,101.075 55.5,102.05 52.175,102.05 51.375,101.25 51.375,97.475 51.5,97.35 52.35,97.35 52.775,97.775 60.725,97.775 64.018,101.068 64.018,110.231 58.1,116.15 43.2,116.15 38.4,120.95 28.2,120.95 23.15,115.9 23.15,104.158 17.25,98.258 17.25,92.517 12.5,87.767 12.5,81.325 15,78.825 15,72.5 19,68.5
VCC3P3 on L3 "VCC3P3_L03_P030" (solid, remove dead copper, pour order 30): 24.612,23.922 26.167,22.367 26.167,21.192 24.125,19.15 23.428,19.15 22.02,17.742 20.917,17.742 20.325,17.15 19.95,17.15 19.825,17.275 19.825,19.85 20.192,20.217 20.967,20.217 21.975,21.225 21.975,22.45 23.625,24.1 23.625,25.564 24.6,26.538 24.612,30.15 25.625,30.138 25.651,25.964 24.612,24.925
VCC1P25_LMS on L3 "VCC1P25_LMS_L03_P032" (solid, remove dead copper, pour order 32): 51.7,20.1 51.7,22.5 51.7,32.35 49.175,34.875 47.75,34.875 47.5,34.625 47.5,26.825 48.65,25.675 48.65,19.775 48.675,19.75 51.35,19.75
VCC1P4_LMS on L3 "VCC1P4_LMS_L03_P029" (solid, remove dead copper, pour order 29): 58.025,32.925 58.475,32.475 59.769,32.475 60.694,31.55 60.694,30.612 57.475,27.393 57.475,22.886 54.064,19.475 50.15,19.475 49.925,19.25 49.925,17.433 50.733,16.625 55.575,16.625 59.925,20.975 59.925,24.008 62.825,26.908 62.825,32.648 60.898,34.575 58.575,34.575 58.025,34.025
GND on L3 "GND_L03_P038" (solid, remove dead copper, pour order 38): 0,2.54 ccw(c2.54,2.54) 2.54,0 72.46,0 ccw(c72.46,2.54) 75,2.54 75,140.46 ccw(c72.46,140.46) 72.46,143 2.54,143 ccw(c2.54,140.46) 0,140.46
VCC1P8_LMS on L5 "VCC1P8_LMS_L05_P033" (solid, remove dead copper, pour order 33): 59.2,38.55 60.1,37.65 60.1,36.304 60.1,33.775 54.75,28.425 54.75,24.875 56.125,23.5 56.125,11.75 49.625,5.25 44.875,5.25 44.525,5.6 44.525,9.15 45.575,10.2 50.025,10.2 52.65,12.825 52.65,22.375 51.375,23.65 51.375,30.375 53.075,32.075 53.075,33.9 57.725,38.55
VCC1P8 on L5 "VCC1P8_L05_P034" (solid, remove dead copper, pour order 34): 32.825,39.75 24.975,39.75 17.6,32.375 17.6,28.5 12.425,23.325 12.425,13.05 17.025,8.45 22.375,8.45 23.675,9.75 23.675,11.35 22.95,12.075 19.325,12.075 15.375,16.025 15.375,21.125 21.025,26.775 21.025,31.55 26.75,37.275 32.158,37.275 33.14,38.257 33.14,39.435
GND on L5 "GND_L05_P040" (solid, remove dead copper, pour order 40): 0,2.54 ccw(c2.54,2.54) 2.54,0 72.46,0 ccw(c72.46,2.54) 75,2.54 75,140.46 ccw(c72.46,140.46) 72.46,143 2.54,143 ccw(c2.54,140.46) 0,140.46
VCC5P0 on Top "VCC5P0_L01_P035" (solid, remove dead copper, pour order 35): 44.625,37.175 44.075,36.625 32.125,36.625 31.3,35.8 31.3,34.25 31.975,33.575 46,33.575 47.325,34.9 48.704,34.9 49.2,35.396 49.2,36.713 48.738,37.175
GND on Top "GND_L01_P036" (solid, remove dead copper, pour order 36): 0,2.54 ccw(c2.54,2.54) 2.54,0 72.46,0 ccw(c72.46,2.54) 75,2.54 75,140.46 ccw(c72.46,140.46) 72.46,143 2.54,143 ccw(c2.54,140.46) 0,140.46
GND on L2 "GND_L02_P037" (solid, remove dead copper, pour order 37): 0,2.54 ccw(c2.54,2.54) 2.54,0 72.46,0 ccw(c72.46,2.54) 75,2.54 75,140.46 ccw(c72.46,140.46) 72.46,143 2.54,143 ccw(c2.54,140.46) 0,140.46
GND on L4 "GND_L04_P039" (solid, remove dead copper, pour order 39): 0,2.54 ccw(c2.54,2.54) 2.54,0 72.46,0 ccw(c72.46,2.54) 75,2.54 75,140.46 ccw(c72.46,140.46) 72.46,143 2.54,143 ccw(c2.54,140.46) 0,140.46
GND on Bottom "GND_L06_P041" (solid, remove dead copper, pour order 41): 0,2.54 ccw(c2.54,2.54) 2.54,0 72.46,0 ccw(c72.46,2.54) 75,2.54 75,140.46 ccw(c72.46,140.46) 72.46,143 2.54,143 ccw(c2.54,140.46) 0,140.46